# Altium PCB 2-quilter-output.pcbdoc (part 17 of 17)
Units mil, origin at the board's own origin, x right, y up, seen from the top; angles counter-clockwise.
Board outline 2728 x 2217 mil, 8 copper layers (L1_TOP, L2_GND, L3_INNER1, L4_GND, L5_PWR, L6_PWR, L7_GND, L8_BOT), stack 48.64 mil thick; 230 components, 327 nets, 1592 pads, 995 vias.
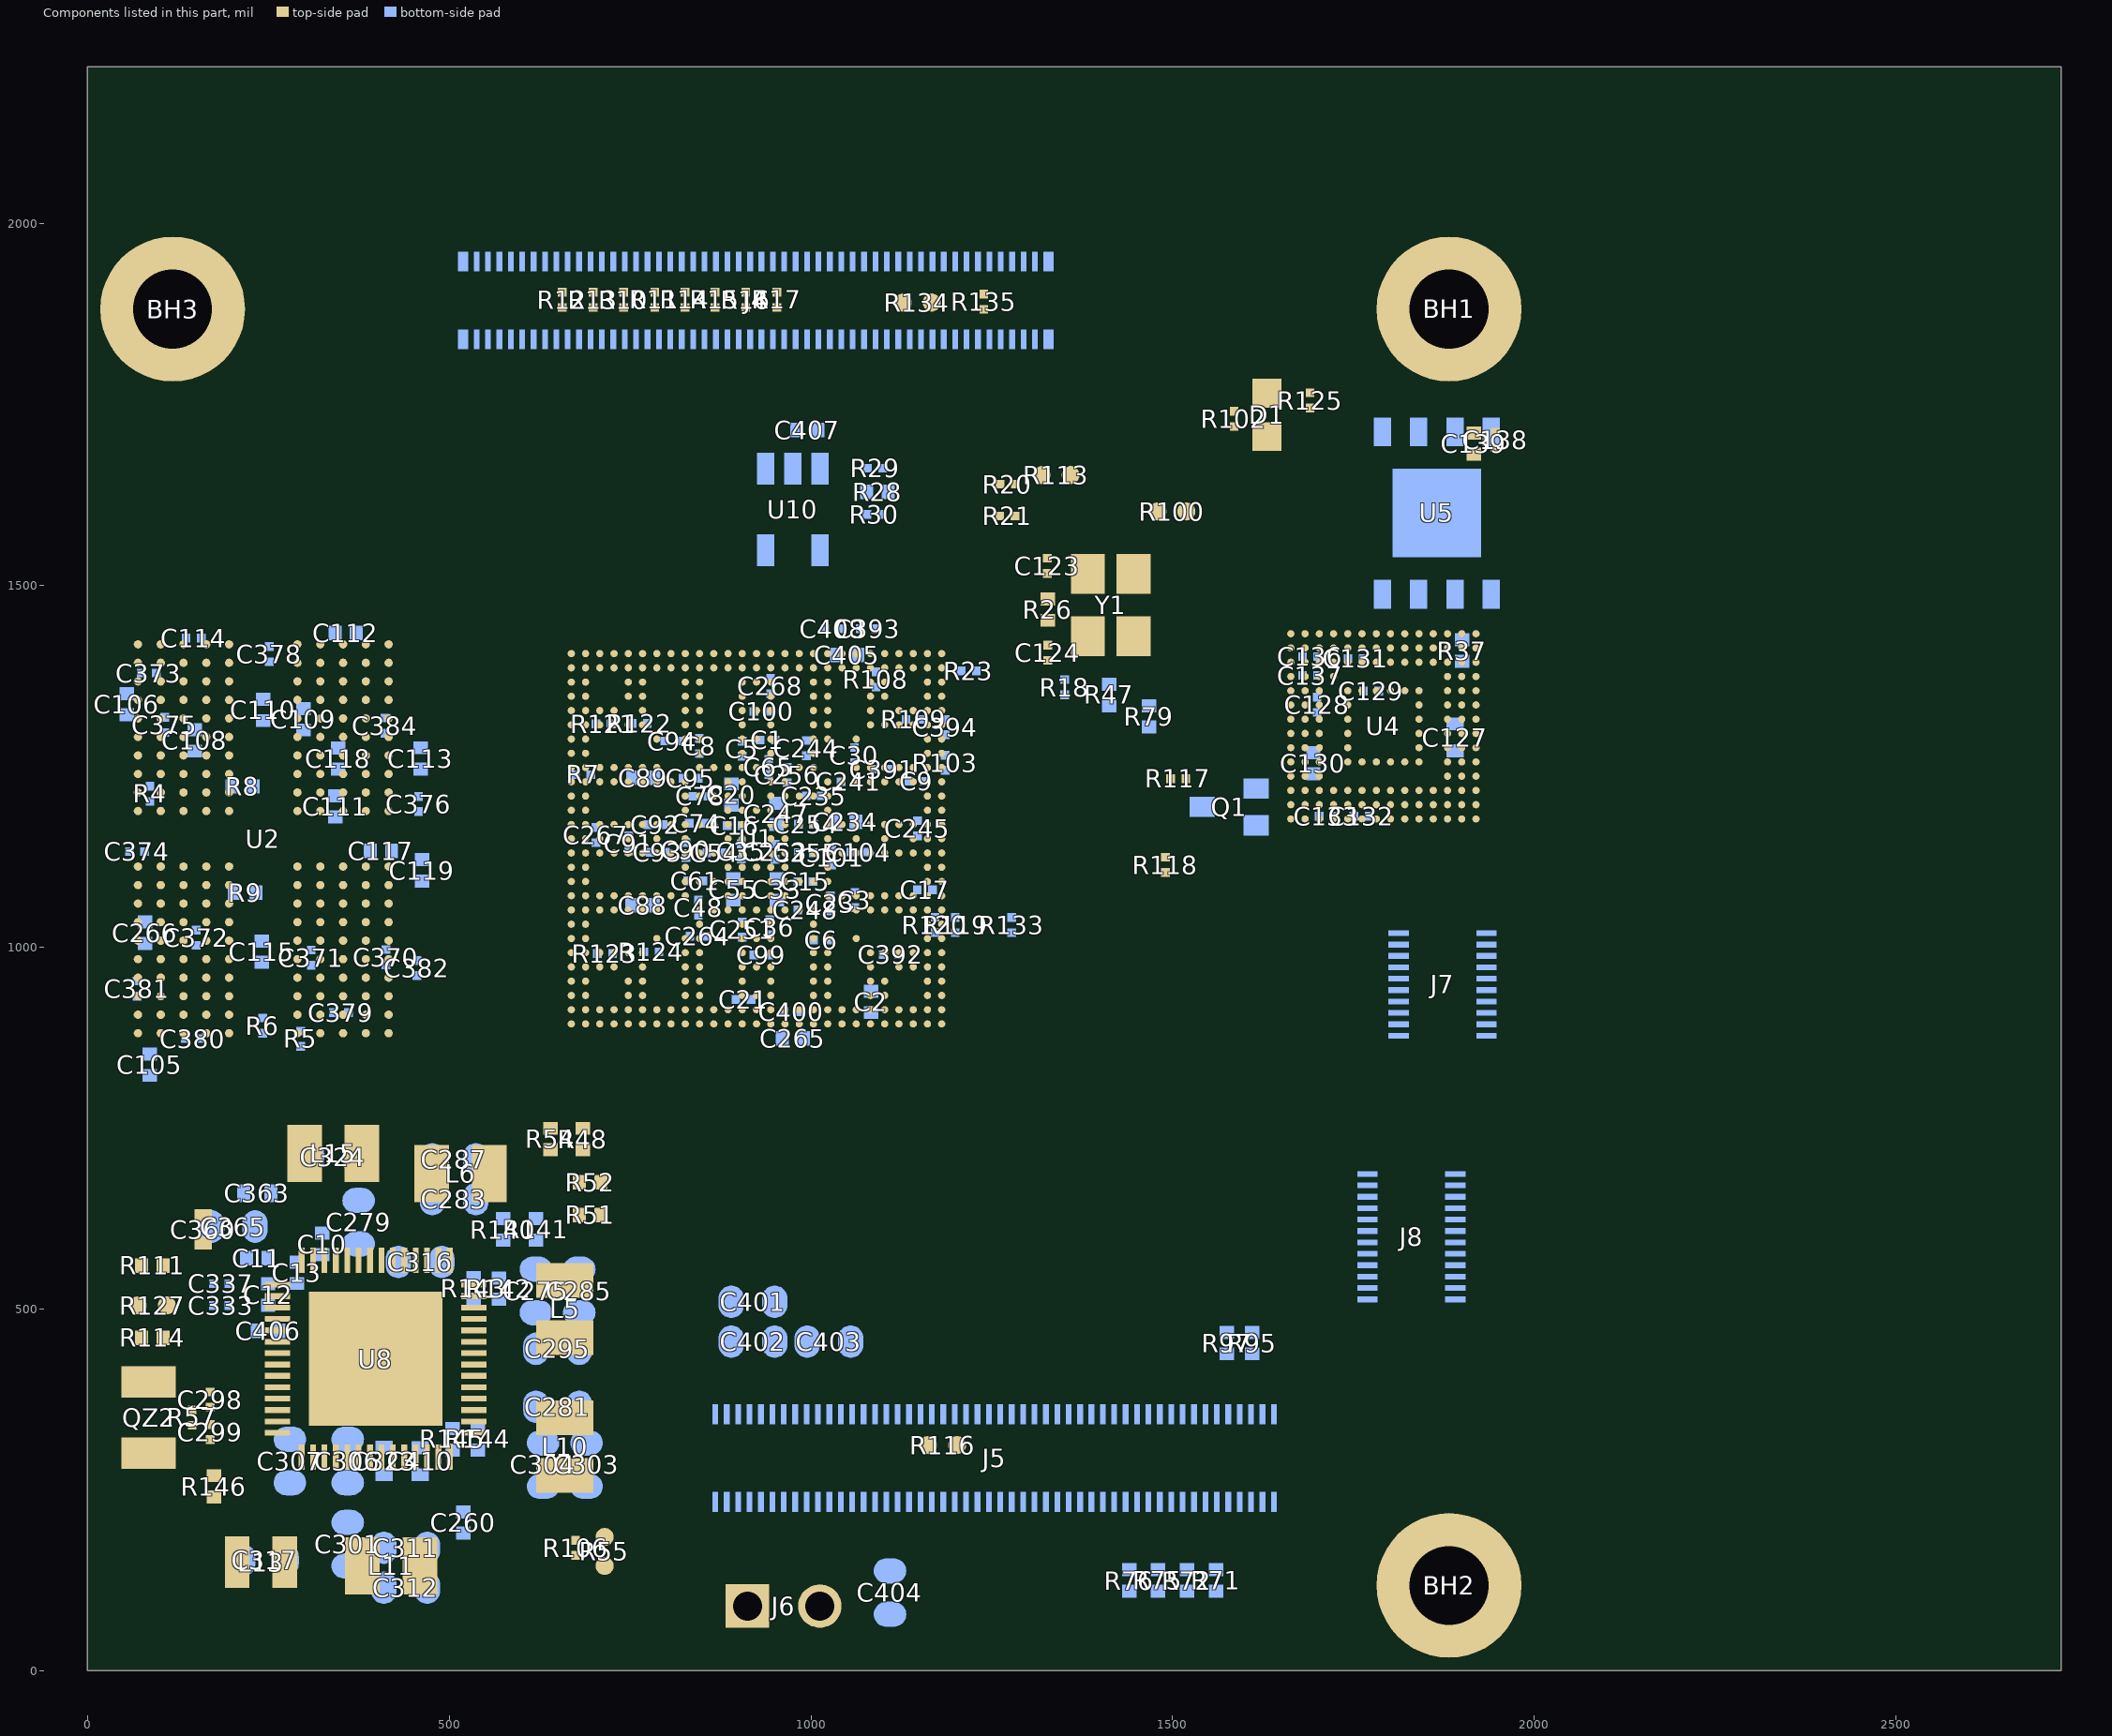
[diagram p23: the components of this part, seen from the top]

## Silkscreen, mask and mechanical layers (free items; w line width, h text height) (continued)
Board Layer Stack Bottom Overlay:
  circle w4: c1088.5,679.88 r5
  circle w4: c1104.83,572.48 r2.6
  circle w4: c1104.83,572.48 r11.73
  lines w4: 1054.36,698.82 1198.7,550.21 ; 1063.16,551.34 1202.03,701.15 ; 1088,1091.87 1040.15,1091.87 ; 1093.23,673.22 1084.36,673.02 1174.9,673.02 ; 1093.23,674.08 1093.23,674.42 1101.03,586.48 ; 1117.56,569.94 1153.03,569.94 1153.03,578.21 1161.5,677.88 ; 1119,1091.87 1263.59,1091.87 1264,1227 1478,1227 1478,1137 1584,1137 1584,1018 1494,1018 1494,902 1417,902 1417,1014 1300,1014 1300,1056 1263,1056 1263,1092 ; 1143.5,563.21 1143.5,566.54 ; 1146.83,676.55 1146.83,686.55 ; 1040.15,1091.87 1017.46,1091.87 1017.46,1078.48 972.44,1078.48 972.44,1050.63 859.7,1050.63 859.7,1078.13 810.55,1078.13 810.55,1249.65 812.93,1249.65 907.8,1249.65 918,1250 918,1309 981,1309 981,1222 981.7,1220.77 1026.4,1220.77 1026.4,1196.37 1014.71,1196.37 1014.71,1145.5 1040.15,1145.5 1040.15,1091.87 ; 1046.83,539.88 1046.83,706.55 1213.5,706.55 1213.5,539.88 1046.83,539.88 ; 1083.49,650.75 1095.16,650.75 1094.36,663.42 1083.49,663.42 1083.49,650.75 ; 1094.7,680.09 cw(c1111.3,660.88) 1112.83,686.22 1094.7,680.08 ; 1111.16,640.68 1134.23,640.68 1134.23,646.88 1111.16,646.88 1111.16,640.68 ; 1113.23,684.28 1113.23,690.68 1136.3,690.68 1136.3,684.28 1113.23,684.28 ; 1136.9,686.55 cw(c1135.71,640.75) 1161.5,678.62 1136.9,686.55
  lines w5: 1457,835 1457,800 1522,800 1522,835 1487,835 ; 1487,835 1487,800 1422,800 1422,835 1487,835
  lines w5.33: 745.82,777.88 cw(c745.82,756.75) 761.82,770.55 ; 754.49,799.22 cw(c754.48,782.55) 759.16,798.55 ccw(c763.97,815.01) 763.16,797.88 ccw(c768.16,904.96) 773.16,797.88 ccw(c769.61,873.35) 789.82,800.56 cw(c797.6,772.48) 815.82,795.21 ; 761.83,770.55 ccw(c777.38,783.95) 766.49,766.55 790.49,758.55 cw(c790.49,741.87) 807.16,742.55 ccw(c810.98,743.99) 813.16,740.54 813.83,741.88 ccw(c803.63,746.98) 813.17,753.22 ccw(c696.75,676.67) 808.49,759.88 ccw(c792.1,747.67) 795.16,767.88 ; 809.17,776.56 ccw(c922.88,920.99) 819.17,769.22 ccw(c823.89,776.15) 822.5,767.88 826.5,767.22 cw(c733.83,798.94) 824.49,761.88 ccw(c833.9,758) 823.82,756.55 ; 815.83,795.21 cw(c809.25,786.99) 819.16,790.55 ccw(c828.22,793.76) 823.83,785.21 827.16,782.55 831.16,779.22 cw(c823.9,770.5) 835.17,771.89 835.16,771.22 834.5,768.55 833.83,764.55 833.16,759.22 833.16,750.55 cw(c817.08,750.55) 828.49,739.22 cw(c826.16,741.66) 823.16,743.21 825.16,747.21 823.83,756.55
  lines w6.66: 709.82,715.88 836.5,797.22 ; 877.16,715.88 711.82,715.88 793.83,881.89 877.83,715.88
  lines w8: 2053,1121 2715,1121 2715,955 2054,955 2054,1121 ; 2015,40 2015,210 2025,210 2670,210 2670,40 2015,40 ; 2053,1130 2053,1295 2720,1295 2720,1130 2053,1130
  text "8MMINILPD4-CPU2" at 2690,1735 h50
  text "QSPI" at 1706,1588 h30
  text "PHY_1V2" at 987,1436 h20
  text "GND" at 615,1265 h30
  text "SCH-47712 REV A" at 2580,1217 h30
  text "700-47712 REV A" at 2580,1034 h30
  text "SMD" at 1477,841 h20
  text "M.2" at 1524,775 h20
  text "GND" at 1058.55,132.19 h30
  text "5V0" at 949.98,131.29 h30
  text "S/N" at 2640,100 h63
Top Solder:
  lines w25: 30,733.03 30,133.03 cw(c30,132.94) 30.09,132.94 30.09,98.36 ccw(c99.45,98.36) 99.45,29 1729,29
  text "i.MX 8M MINI" at 1085.29,68.77 h50
Board Layer Stack Bottom Solder:
  lines w25: 30,733.03 30,133.03 cw(c30,132.94) 30.09,132.94 30.09,98.36 ccw(c99.45,98.36) 99.45,29 1729,29
Dimension:
  region: 0.88,2040.03 2000,2040.03 2730.84,2040.03 2730.84,2240.3 2000,2240.3 0.88,2240.3
  region: -0.48,-240.24 1997.27,-240.24 2730.84,-240.24 2730.84,-39.97 1997.27,-39.97 -0.48,-39.97
  lines w1: -1522.63,-534.96 -656.44,-534.96 6.27,23.26 ; -810,0.12 -4.18,0.12 ; -810,2000.03 51.11,2000.03 ; -710,783.75 -710,0.12 ; -710,1096.25 -710,2000.03 ; -678,877.5 -724.5,877.5 -724.5,1002.5 -678,1002.5 ; -120,877.5 -73.5,877.5 -73.5,1002.5 -120,1002.5 ; 0.07,1992.22 0.07,2545 ; 679.75,2445 0.07,2445 ; 1442,2382.5 1395.5,2382.5 1395.5,2507.5 1442,2507.5 ; 2000,2382.5 2046.5,2382.5 2046.5,2507.5 2000,2507.5 ; 2140.25,2445 2730,2445 ; 2730,2000.03 2730,2545 ; 3610,1610 3050,1610 2686.87,1745 ; 3987.22,493.36 3229.43,494.31 2684.21,494.31 ; -710,0.12 -735,150.12 -685,150.12 -710,0.12 ; -710,2000.03 -685,1850.03 -735,1850.03 -710,2000.03 ; 0.07,2445 150.07,2470 150.07,2420 0.07,2445 ; 6.27,23.26 -92.35,-92.5 -124.56,-54.25 6.27,23.26 ; 2684.21,494.31 2834.21,519.31 2834.21,469.31 2684.21,494.31 ; 2686.87,1745 2836.18,1716.16 2818.76,1669.3 2686.87,1745 ; 2730,2445 2580,2420 2580,2470 2730,2445 ; 0.07,100.03 ccw(c100.07,100.03) 100.07,0.03 1799.96,0.03 cw(c1760.61,-91.89) 1800.03,0 2600,0 2630,0 ccw(c2630,100) 2730,100 2730,1900.03 ccw(c2630,1900.03) 2630,2000.03 2600,2000.03 1900,2000.03 100.07,2000.03 ccw(c100.07,1900.03) 0.07,1900.03 0.07,100.03
  text "2.73" at 773.5,2382.5 h125
  text "69.3" at 1488.5,2382.5 h125
  text "BOARD" at 744.18,2124.35 h50
  text "EDGE" at 1103,2121.86 h50
  text "2.00" at -1346.5,877.5 h125
  text "50.8" at -631.5,877.5 h125
  text "TRACE ON TOP,WIDTH 11 MIL  50OHM (WIFI)" at 2778.59,561.99 h50
  text "EDGE" at 1127.14,-169.03 h50
  text "BOARD" at 746.32,-170.54 h50
  text "PRIMARY DATUM" at -1423.71,-403.76 h50
  text "GRID ORIGIN" at -1423.96,-507.6 h50
Fab Notes:
  drawing of 255 lines, arcs and shapes, not listed
  text "1. THIS DRAWING SPECIFIES THE REQUIREMENTS FOR A" at -10326.01,11281.66 h94
  text "PRINTED WIRING BOARD IN ACCORDANCE" at -6026.01,11281.66 h94
  text "WITH SPECIFICATION IPC-A-600 CLASS 2 (LATEST REVISION)." at -10316.01,11081.66 h94
  text "2. THE PWB MUST BE LEAD FREE ASSEMBLY PROCESS COMPATIBLE AND MUST BE ABLE TO HANDLE" at -10326.01,10681.66 h94
  text "A MINIMUM OF 5 CYCLES AT 260 DEGREES CELSIUS FOR 10 SECONDS." at -10226.01,10481.66 h94
  text "3. BASE MATERIAL - LAMINATE AND PREPREG SHALL MEET IPC-4101B-26, 83 or 98" at -10326.01,10081.66 h94
  text "Tg - MUST BE GREATER THAN OR EQUAL TO 150 DEGREES CELSIUS." at -8481.01,9881.66 h94
  text "Td - MUST BE GREATER THAN OR EQUAL TO 330 DEGREES CELSIUS." at -8481.01,9681.66 h94
  text "4. COPPER FOIL WEIGHT - SEE STACKUP DETAIL 'A'" at -10326.01,9281.66 h94
  text "5. CHARACTERISTIC IMPEDANCE - SEE DETAIL 'B'" at -10326.01,8881.66 h94
  text "8" at 11442.5,8484.67 h94
  text "6. MINIMUM CONDUCTIVE WIDTH/SPACING TO BE .003\"/.003\"" at -10326.01,8481.66 h94
  text "8" at 11444.5,8173.67 h94
  text "7. PLATING FINISH - BOTH SIDES ENIG (ELECTROLESS NICKEL IMMERSION GOLD):" at -10326.01,8081.66 h94
  text ".05080-.232 MICRON (2-8 MICROINCH) OF GOLD OVER" at -8506.01,7881.66 h94
  text "2.540-6.350 MICRON (100-250 MICROINCH) OF NICKEL." at -8761.01,7681.66 h94
  text "8. ALL THROUGH HOLE VIAS MAY BE PLATED SHUT." at -10326.01,7281.66 h94
  text "9. SOLDERMASK - BLACK COLOR (TAIYO OR EQUIVALENT), BOTH SIDES." at -10326.01,6881.66 h94
  text "MODIFICATION OF SOLDERMASK IS NOT ALLOWED WITHOUT WRITTEN PERMISSION FROM FREESCALE." at -10321.01,6681.66 h94
  text "10. SILKSCREEN - WHITE EPOXY INK, BOTH SIDES.  NO SILK ON PADS." at -10326.01,6281.66 h94
  text "11. ELECTRICAL TEST - 100% IPCD356.PCB FABRICATOR TO PERFORM A NET COMPARE AGAINST THE IPCD356 NETLIST PROVIDED BY NXP." at -10326.01,5881.66 h94
  text "12. PRINTED WIRING BOARD IS TO BE INDIVIDUALLY BAGGED." at -10326.01,5481.66 h94
  text "13. DRC'S MUST BE RUN ON THE GERBER BEFORE BUILDING BOARDS," at -10326.01,5081.66 h94
  text "UNLESS PRIOR APPROVAL IS GIVEN IN WRITING BY FREESCALE." at -10326.01,4881.66 h94
  text "14. TEARDROPS MAYBE ADDED AT THE FAB HOUSE TO ALL SIGNAL LAYERS." at -10326.01,4481.66 h94
  text "15. 2 SOLDER SAMPLES TO BE PROVIDED." at -10326.01,4081.66 h94
  text "16. BASIC GRID INCREMENT AT 1:1 IS .0001." at -10327.01,3680.66 h94
  text "17. SUPPLIER MARKINGS - ON SOLDER SIDE ONLY, WHERE SHOWN." at -10327.01,3280.66 h94
  text "- MUST BE UL RECOGNIZED AND MUST HAVE AN ID THAT CONFORMS TO UL94V-0" at -8306.01,3081.66 h94
  text "18. THE PWB WILL BE MARKED AS LEAD FREE BY USE OF AN INK STAMP Pb" at -10326.01,2681.66 h94
  text "THE TOTAL THICKNESS:" at 11460.81,2582.03 h225
  text "1.2MM +/- 10%" at 16225.3,2557.38 h225
  text "19. THE PWB WILL BE MARKED AS LEAD FREE PROCESS COMPATIBLE BY USE OF AN INK STAMP 260 C" at -10326.01,2281.66 h94
  text "DIELECTRIC" at 16819.28,1902.59 h75
  text "20. ALL PLATED AND NON-PLATED THROUGH HOLES ARE TO BE DRILLED AT PRIMARY DRILL STEP." at -9629.41,1881.66 h94
  text "LAYERS STACKUP" at 11302.28,1826.37 h94
  text "LAYER" at 13243.4,1826.37 h94
  text "MATERIAL" at 13895.57,1826.37 h94
  text "THICKNESS" at 14677.27,1826.37 h94
  text "LAYER TYPE" at 15602.35,1826.37 h94
  text "LOSS TANGENT" at 18019.28,1802.59 h75
  text "17" at 3208.5,1705.66 h94
  text "CONSTANT" at 16819.28,1702.59 h75
  text "ALL HOLE LOCATION TOLERANCES ARE TO BE +/-.002 IN REFERENCE TO THE PRIMARY DATUM." at -9286.61,1681.66 h94
  text "COPPER" at 14015.2,1353.93 h94
  text "ROUTING" at 15707.35,1353.93 h94
  text "1 OZ" at 14795.11,1349.98 h94
  text "TOP" at 11680.01,1314.56 h94
  text "TOP" at 13254.81,1314.56 h94
  text "21. FINISHED PCB MUST BE PANELIZED FOR ASSEMBLY ACCORDING TO CONTRACT MANUFACTURERS REQUIREMENTS." at -10326.01,1281.66 h94
  text "THE ADDITION OF RAILS AND .125' NON-PLATED TOOLING HOLES ARE AT THE DISCRETION OF" at -9956.01,1081.66 h94
  text "TU768" at 14120.2,1038.97 h94
  text "2.77MIL" at 14795.11,1033.11 h94
  text "3.9" at 16818.98,1022.11 h94
  text "0.02" at 18204.89,1022.11 h94
  text "PREPREG" at 13064,1010 h94
  text "PREPREG" at 11499.71,999.6 h94
  text "CONTRACT MANUFACTURER.PANELIZATION MUST BE APPROVED BY CONTRACT MANUFACTURER." at -9956.01,881.66 h94
  text "COPPER" at 14015.2,726.37 h94
  text "PLANE" at 15777.35,724.01 h94
  text "1 OZ" at 14795.11,707.01 h94
  text "L2 INNER" at 13018,695.04 h94
  text "L2 INNER" at 11454.63,684.64 h94
  text "TU768" at 14120.2,411.41 h94
  text "CORE" at 11670.96,408.22 h94
  text "3.94MIL" at 14795.11,394.11 h94
  text "CORE" at 13221.85,391.72 h94
  text "4.25" at 16818.98,383.11 h94
  text "0.02" at 18204.89,383.11 h94
  text "1 OZ" at 14795.11,102.01 h94
  text "COPPER" at 14015.2,96.45 h94
  text "ROUTING" at 15733.03,80.36 h94
  text "L3 INNER" at 13018,65.11 h94
  text "L3 INNER" at 11454.63,54.72 h94
  text "TU768" at 14120.2,-218.51 h94
  text "5.04MIL" at 14795.11,-240.29 h94
  text "PREPREG" at 13064,-249.85 h94
  text "3.9" at 16818.98,-251.29 h94
  text "0.02" at 18204.89,-251.29 h94
  text "PREPREG" at 11499.71,-260.24 h94
  text "16" at -1239,-268 h94
  text "PLANE" at 15782.03,-532.34 h94
  text "COPPER" at 14015.2,-533.47 h94
  text "1 OZ" at 14795.11,-541.99 h94
  text "L4 INNER" at 13018,-564.81 h94
  text "L4 INNER" at 11454.63,-575.2 h94
  text "THIS BOARD WAS DESIGNED FOR MAXIMUM FLEXIBILITY IN SOFTWARE DEVELOPMENT AND DEMONSTRATES" at -10594.28,-691.69 h94
  text "CORE" at 11500.47,-851.2 h94
  text "CORE" at 13243.85,-851.2 h94
  text "TU768" at 14120.2,-855.64 h94
  text "12MIL" at 14795.11,-872.19 h94
  text "4.25" at 16818.98,-883.19 h94
  text "0.02" at 18204.89,-883.19 h94
  text "MULTIPLE FUNCTIONS POSSIBLE WITH I.MX PROCESSORS. ALTHOUGH BEST DESIGN PRACTICES HAVE" at -10555.79,-922.68 h94
  text "PLANE" at 15777.35,-1164.63 h94
  text "1 OZ" at 14795.11,-1167.99 h94
  text "COPPER" at 14015.2,-1183.35 h94
  text "L5 INNER" at 13018,-1194.73 h94
  text "L5 INNER" at 11454.63,-1205.13 h94
  text "BEEN APPLIED,SOME AREAS MAY NOT BE SUITABLE FOR A MASS-PRODUCTION DESIGN" at -10555.79,-1214.16 h94
  text "TU768" at 14120.2,-1473.63 h94
  text "5.54MIL" at 14795.11,-1476.29 h94
  text "3.9" at 16818.98,-1487.29 h94
  text "0.02" at 18204.89,-1487.29 h94
  text "PREPREG" at 13064,-1509.69 h94
  text "PREPREG" at 11499.71,-1520.09 h94
  text "1 OZ" at 14795.11,-1758.99 h94
  text "PRELIMINARY -SUBJECT TO CHANGE" at -10591.29,-1797.43 h94
  text "COPPER" at 14015.2,-1810.75 h94
  text "ROUTING" at 15707.35,-1810.75 h94
  text "L6 INNER" at 13018,-1824.65 h94
  text "L6 INNER" at 11454.63,-1835.05 h94
  text "NXP CONFIDENTIAL AND PROPRIETARY" at -10591.29,-2031.43 h94
  text "CORE" at 11648.96,-2116.11 h94
  text "TU768" at 14120.2,-2119.74 h94
  text "3.94MIL" at 14795.11,-2119.89 h94
  text "CORE" at 13265.85,-2127.11 h94
  text "4.25" at 16818.98,-2130.89 h94
  text "0.02" at 18204.89,-2130.89 h94
  text "COPPER" at 14015.2,-2419.33 h94
  text "PLANE" at 15777.35,-2428.74 h94
  text "1 OZ" at 14795.11,-2447.99 h94
  text "L7 INNER" at 13018,-2454.57 h94
  text "L7 INNER" at 11454.63,-2464.97 h94
  text "DETAIL B" at 3330.94,-2595.79 h125
  text "2.77MIL" at 14795.11,-2735.59 h94
  text "3.9" at 16818.98,-2746.59 h94
  text "0.02" at 18204.89,-2746.59 h94
  text "TU768" at 14120.2,-2756.45 h94
  text "PREPREG" at 13064,-2769.53 h94
  text "PREPREG" at 11499.71,-2779.93 h94
  text "IMPEDANCE REQUIREMENTS" at 2646.94,-2807.79 h125
  text "IMPEDANCE TOLERANCE IS 10%" at 2446.94,-3007.79 h125
  text "1 OZ" at 14795.11,-3045.99 h94
  text "COPPER" at 14015.2,-3046.63 h94
  text "ROUTING" at 15707.35,-3084.16 h94
  text "L8 BOTTOM" at 11345.13,-3105.91 h94
  text "L8 BOTTOM" at 12998.67,-3105.91 h94
  text "Single Ended" at -525.06,-3303.79 h94
  text "Differential" at 4020.94,-3311.79 h94
  text "DETAIL A" at 14780,-3500 h125
  text "Impedance" at 2589.94,-3504.79 h63
  text "Impedance" at 5089.94,-3504.79 h63
  text "Impedance" at 7789.94,-3504.79 h63
  text "Impedance" at 159.94,-3509.79 h63
  text "Layers" at -1479.06,-3511.79 h94
  text "Trace Spacing" at 1670.94,-3511.79 h63
  text "Trace Spacing" at 4170.94,-3511.79 h63
  text "Trace Spacing" at 6870.94,-3511.79 h63
  text "Trace Width" at -675.06,-3519.79 h63
  text "Trace Width" at 884.94,-3519.79 h63
  text "Trace Width" at 3384.94,-3519.79 h63
  text "Trace Width" at 6084.94,-3519.79 h63
  text "(Mils)" at -629.06,-3611.79 h80
  text "(Ohms)" at 170.94,-3611.79 h63
  text "(Mils)" at 920.94,-3611.79 h63
  text "\"Airgap\"" at 1670.94,-3611.79 h63
  text "(Ohms)" at 2620.94,-3611.79 h63
  text "(Mils)" at 3420.94,-3611.79 h63
  text "\"Airgap\"" at 4170.94,-3611.79 h63
  text "(Ohms)" at 5120.94,-3611.79 h63
  text "(Mils)" at 6120.94,-3611.79 h63
  text "\"Airgap\"" at 6870.94,-3611.79 h63
  text "(Ohms)" at 7820.94,-3611.79 h63
  text "(Mils)" at 1858.94,-3726.79 h63
  text "(Mils)" at 4358.94,-3726.79 h63
  text "(Mils)" at 7058.94,-3726.79 h63
  text "3.6" at 3750.9,-3899.27 h80
  text "L1_TOP" at -1394.61,-3900.36 h80
  text "90" at 5280.92,-3907.17 h80
  text "4.2" at 1145.73,-3909.98 h80
  text "3" at 6364.72,-3910.47 h80
  text "4.1" at -469.57,-3911.67 h80
  text "4.8" at 2018.36,-3913.88 h80
  text "4.9" at 4450.9,-3914.27 h80
  text "85" at 2836.2,-3914.59 h80
  text "50" at 489.66,-3919.26 h80
  text "6" at 7158.21,-3936.47 h80
  text "100" at 7958.63,-3936.79 h80
  text "11" at -432,-4097.67 h80
  text "50" at 484.66,-4117.26 h80
  text "3.2" at -426.86,-4480.19 h80
  text "L3_IN1" at -1431.53,-4491.86 h80
  text "50" at 473.14,-4495.19 h80
  text "50" at 473.66,-5105.82 h80
  text "6" at 7045.46,-5108.1 h80
  text "4.1" at -459.66,-5113.04 h80
  text "3.6" at 3633.5,-5113.19 h80
  text "3" at 6251.97,-5115.09 h80
  text "L8_BOTTOM" at -1529.25,-5117.52 h80
  text "90" at 5170.93,-5121.1 h80
  text "85" at 2655.06,-5126.24 h80
  text "4.2" at 1056.04,-5128.23 h80
  text "4.9" at 4333.5,-5128.19 h80
  text "4.8" at 1911.49,-5129.17 h80
  text "100" at 7848.64,-5128.72 h80
Sheet:
  drawing of 2535 lines, arcs and shapes, not listed
  text "F.L." at 21016.65,12572.59 h100
  text "A" at 15181.65,12567.59 h125
  text "A" at 15181.65,12567.59 h125
  text "09-03-20" at 19736.65,12567.59 h100
  text "170-47712" at 14341.65,-4992.41 h175
  text "THIS DOCUMENT CONTAINS INFORMATION" at 13896.65,-5197.41 h63
  text "___ COMPANY PUBLIC" at 11051.65,-5232.41 h63
  text "NXP SEMICONDUCTORS" at 17083.65,-5277.41 h225
  text "PROPRIETARY TO NXP AND SHALL NOT" at 13896.65,-5322.41 h63
  text "BE USED FOR ENGINEERING DESIGN" at 13896.65,-5447.41 h63
  text "___ COMPANY INTERNAL" at 11051.65,-5532.41 h63
  text "X" at 11091.65,-5532.41 h100
  text "PROCUREMENT OR MANUFACTURE IN WHOLE" at 13896.65,-5572.41 h63
  text "OR IN PART WITHOUT THE CONSENT OF" at 13896.65,-5697.41 h63
  text "NXP." at 13896.65,-5822.41 h63
  text "___ COMPANY CONFIDENTIAL" at 11051.65,-5832.41 h63
  text "6501 WILLIAM CANNON DRIVE WEST  AUSTIN, TEXAS 78735 USA" at 16486.65,-5877.41 h94
  text "ALL PARTS, MATERIALS AND FINISHED" at 8623.65,-6149.41 h63
  text "ASSEMBLY SHALL MEET THE RoHS" at 8623.65,-6233.41 h63
  text "PRINTED WIRING BOARD" at 17416.65,-6287.41 h175
  text "COMMISSION DELEGATED DIRECTIVE (EU)" at 8623.65,-6317.41 h63
  text "2015/863 OF 31 MARCH  2015 AMENDING" at 8623.65,-6401.41 h63
  text "STACY CUI" at 13900.65,-6465.41 h100
  text "09-03-20" at 15546.65,-6465.41 h100
  text "ANNEX II TO DIRECTIVE 2011/65/EU. A" at 8623.65,-6485.41 h63
  text "CERTIFICATE OF COMPLIANCE IS" at 8623.65,-6569.41 h63
  text "8MMINILPD4-CPU2" at 17979.65,-6626.41 h175
  text "REQUIRED UPON REQUEST." at 8623.65,-6653.41 h63
  text "LEO PAN" at 13900.65,-6885.41 h100
  text "09-03-20" at 15541.65,-6885.41 h100
  text "ALL PARTS, MATERIALS AND FINISHED" at 8599.65,-7108.41 h63
  text "ASSEMBLY SHALL NOT CONTAIN ANY OF" at 8599.65,-7192.41 h63
  text "LAY-47712" at 16868.65,-7196.41 h125
  text "FAB-47712" at 18837.65,-7221.41 h175
  text "A" at 21319.5,-7269.44 h175
  text "THE SUBSTANCES OF VERY HIGH CONCERN" at 8599.65,-7276.41 h63
  text "FRANK LIU" at 13900.65,-7280.41 h100
  text "09-03-20" at 15536.65,-7280.41 h100
  text "(SVHC) ABOVE THE THRESHOLD VALUE PER" at 8599.65,-7360.41 h63
  text "THE CURRENT ECHA LIST OF SVHC'S AND" at 8599.65,-7444.41 h63
  text "WITH ANNEX XIV AND ANNEX XVII OF REACH" at 8599.65,-7523.41 h63
  text "DIRECTIVE 76/769/EEC. A CERTIFICATE OF" at 8599.65,-7607.41 h63
  text "COMPLIANCE IS REQUIRED UPON REQUEST." at 8599.65,-7691.41 h63
  text "1" at 21151.5,-7702.5 h125
  text "NONE" at 16863.5,-7709.5 h125
  text "1" at 20430.5,-7709.5 h125
Drill Drawing:
  circle w1: c12150.74,7937.14 r60
  circle w1: c12150.74,8437.14 r60
  lines w1: 11701.24,7312.14 18676.24,7312.14 ; 11701.24,7562.14 18676.24,7562.14 ; 11701.24,7812.14 18676.24,7812.14 ; 11701.24,8062.14 18676.24,8062.14 ; 11701.24,8312.14 18676.24,8312.14 ; 11701.24,8562.14 18676.24,8562.14 ; 11701.24,8812.14 18676.24,8812.14 ; 11701.24,9062.14 18676.24,9062.14 ; 12090.74,8187.14 12210.74,8187.14 ; 12150.74,8127.14 12150.74,8247.14 ; 12600.24,7062.14 12600.24,8812.14 ; 14615.24,7062.14 14615.24,8812.14 ; 16630.24,7062.14 16630.24,8812.14 ; 17901.24,7062.14 17901.24,8812.14 ; 11701.24,7062.14 18676.24,7062.14 18676.24,9312.14 11701.24,9312.14 11701.24,7062.14 ; 12060.74,7672.14 ccw(c12150.74,7672.14) 12240.74,7672.14 12240.74,7702.14 ccw(c12150.74,7702.14) 12060.74,7702.14 12060.74,7672.14 ; 12090.74,7127.14 12090.74,7247.14 12210.74,7247.14 12210.74,7127.14 12090.74,7127.14 ; 12090.74,7377.14 12090.74,7497.14 12210.74,7497.14 12210.74,7377.14 12090.74,7377.14
  text "DRILL CHART: TOP to BOTTOM" at 13888.74,9124.64 h125
  text "ALL UNITS ARE IN MILS" at 14138.74,8874.64 h125
  text "FIGURE" at 11850.74,8624.64 h125
  text "FINISHED_SIZE" at 12957.74,8624.64 h125
  text "TOLERANCE_DRILL" at 14872.74,8624.64 h125
  text "PLATED" at 16965.74,8624.64 h125
  text "QTY" at 18138.74,8624.64 h125
  text "8.0" at 13457.74,8374.64 h125
  text "+0.0/-8.0" at 15172.74,8374.64 h125
  text "PLATED" at 16965.74,8374.64 h125
  text "1125" at 18088.74,8374.64 h125
  text "8.0" at 13457.74,8124.64 h125
  text "+0.0/-8.0" at 15172.74,8124.64 h125
  text "PLATED" at 16965.74,8124.64 h125
  text "189" at 18138.74,8124.64 h125
  text "40.0" at 13407.74,7874.64 h125
  text "+3.0/-3.0" at 15172.74,7874.64 h125
  text "PLATED" at 16965.74,7874.64 h125
  text "2" at 18238.74,7874.64 h125
  text "109.0" at 13357.74,7624.64 h125
  text "+3.0/-3.0" at 15172.74,7624.64 h125
  text "PLATED" at 16965.74,7624.64 h125
  text "3" at 18238.74,7624.64 h125
  text "35.0" at 13407.74,7374.64 h125
  text "+1.0/-1.0" at 15172.74,7374.64 h125
  text "NON-PLATED" at 16765.74,7374.64 h125
  text "2" at 18238.74,7374.64 h125
  text "64.0" at 13407.74,7124.64 h125
  text "+2.0/-2.0" at 15172.74,7124.64 h125
  text "NON-PLATED" at 16765.74,7124.64 h125
  text "4" at 18238.74,7124.64 h125
Top Designator:
  lines w1: -25,0 25,0 ; 0,-25 0,25

## Text inside footprints (layer, text, board x,y; h text height)
BH1: Bottom Designator "1" at 1878.85,1881.82 h10; Top Pin Number "1" at 1879.47,1871.82 h20
BH2: Bottom Designator "1" at 1878.85,118.04 h10; Top Pin Number "1" at 1879.47,108.04 h20
BH3: Bottom Designator "1" at 115.07,1881.82 h10; Top Pin Number "1" at 115.69,1871.82 h20
C20: Bottom Pin Number "2" at 890.07,1206.26 h25 r270; Bottom Pin Number "1" at 890.07,1235.78 h25 r270
C33: Bottom Pin Number "2" at 953.1,1084.7 h25 r90; Bottom Pin Number "1" at 953.1,1055.18 h25 r90
C55: Bottom Pin Number "2" at 892.54,1084.69 h25 r90; Bottom Pin Number "1" at 892.54,1055.17 h25 r90
C88: Bottom Pin Number "2" at 762.82,1058.1 h25 r180; Bottom Pin Number "1" at 792.34,1058.1 h25 r180
C89: Bottom Pin Number "2" at 763.49,1234 h25 r180; Bottom Pin Number "1" at 793.01,1234 h25 r180
C105: Bottom Pin Number "2" at 86.19,842.36 h25 r90; Bottom Pin Number "1" at 86.19,812.84 h25 r90
C106: Bottom Pin Number "2" at 54.89,1340.66 h25 r90; Bottom Pin Number "1" at 54.89,1311.14 h25 r90
C108: Bottom Pin Number "2" at 148.58,1290.59 h25 r90; Bottom Pin Number "1" at 148.58,1261.07 h25 r90
C109: Bottom Pin Number "2" at 298.93,1319.75 h25 r90; Bottom Pin Number "1" at 298.93,1290.23 h25 r90
C110: Bottom Pin Number "2" at 242.89,1323.14 h25 r270; Bottom Pin Number "1" at 242.89,1352.66 h25 r270
C111: Bottom Pin Number "2" at 343,1199.41 h25 r90; Bottom Pin Number "1" at 343,1169.89 h25 r90
C112: Bottom Pin Number "2" at 361.99,1434.05 h25; Bottom Pin Number "1" at 332.47,1434.05 h25
C113: Bottom Pin Number "2" at 460.89,1265.66 h25 r90; Bottom Pin Number "1" at 460.89,1236.14 h25 r90
C115: Bottom Pin Number "2" at 241.39,989.14 h25 r270; Bottom Pin Number "1" at 241.39,1018.66 h25 r270
C117: Bottom Pin Number "2" at 410.65,1132.9 h25; Bottom Pin Number "1" at 381.13,1132.9 h25
C118: Bottom Pin Number "2" at 346.54,1255.92 h25 r270; Bottom Pin Number "1" at 346.54,1285.44 h25 r270
C119: Bottom Pin Number "2" at 462.5,1101.45 h25 r270; Bottom Pin Number "1" at 462.5,1130.97 h25 r270
C130: Bottom Pin Number "2" at 1694.3,1258.95 h25 r90; Bottom Pin Number "1" at 1694.3,1229.43 h25 r90
C139: Bottom Designator "1" at 1916,1720.76 h25 r90; Bottom Designator "2" at 1916,1691.24 h25 r90
C234: Bottom Pin Number "2" at 1042.67,1173.08 h25 r180; Bottom Pin Number "1" at 1072.19,1173.08 h25 r180
C247: Bottom Pin Number "2" at 952.67,1189.1 h25 r90; Bottom Pin Number "1" at 952.67,1159.58 h25 r90
C260: Bottom Pin Number "2" at 520,209.76 h25 r90; Bottom Pin Number "1" at 520,180.24 h25 r90
C265: Bottom Pin Number "2" at 979.99,873.86 h25; Bottom Pin Number "1" at 950.47,873.86 h25
C266: Bottom Pin Number "2" at 80,1024.76 h25 r90; Bottom Pin Number "1" at 80,995.24 h25 r90
C275: Top Pin Number "2" at 625,494 h10 r90; Top Pin Number "1" at 625,554 h10 r90
C279: Top Pin Number "1" at 380,649 h10 r90; Top Pin Number "2" at 380,589 h10 r90
C281: Top Pin Number "1" at 679,360 h10; Top Pin Number "2" at 619,360 h10
C283: Top Pin Number "1" at 536,647 h10; Top Pin Number "2" at 476,647 h10
C285: Top Pin Number "1" at 685,554 h10 r90; Top Pin Number "2" at 685,494 h10 r90
C287: Top Pin Number "1" at 536,702 h10; Top Pin Number "2" at 476,702 h10
C295: Top Pin Number "1" at 679,440 h10; Top Pin Number "2" at 619,440 h10
C301: Top Pin Number "1" at 355,146 h10 r270; Top Pin Number "2" at 355,206 h10 r270
C303: Top Pin Number "1" at 685,256 h10 r270; Top Pin Number "2" at 685,316 h10 r270
C304: Top Pin Number "1" at 625,256 h10 r270; Top Pin Number "2" at 625,316 h10 r270
C306: Top Pin Number "1" at 365,319 h10 r90; Top Pin Number "2" at 365,259 h10 r90
C307: Top Pin Number "1" at 285,319 h10 r90; Top Pin Number "2" at 285,259 h10 r90
C311: Top Pin Number "1" at 469,165 h10; Top Pin Number "2" at 409,165 h10
C312: Top Pin Number "1" at 469,110 h10; Top Pin Number "2" at 409,110 h10
C316: Top Pin Number "1" at 489,560 h10; Top Pin Number "2" at 429,560 h10
C317: Top Pin Number "1" at 216,158 h10 r180; Top Pin Number "2" at 276,158 h10 r180
C324: Top Pin Number "1" at 311,715 h10 r180; Top Pin Number "2" at 371,715 h10 r180
C365: Top Pin Number "1" at 231,609 h10; Top Pin Number "2" at 171,609 h10
C401: Top Pin Number "2" at 889,505 h10; Top Pin Number "1" at 949,505 h10
C402: Top Pin Number "2" at 889,450 h10; Top Pin Number "1" at 949,450 h10
C403: Top Pin Number "2" at 994,450 h10; Top Pin Number "1" at 1054,450 h10
C404: Top Pin Number "2" at 1114.35,77.17 h10 r90; Top Pin Number "1" at 1114.35,137.17 h10 r90
COPYRIGHT_SMALL: Top Overlay "2020 NXP B.V." at 1010.92,401.2 h35; Top Value "copyright_small" at 1050.92,465.2 h31
D1: Top Overlay "C" at 1591.96,1681.87 h15 r180; Top Overlay "A" at 1597.45,1801.86 h15 r180
J4: Board Layer Stack Bottom Overlay "1" at 543.89,1813.9 h15 r90; Board Layer Stack Bottom Overlay "2" at 543.89,1988.9 h15 r90; Board Layer Stack Bottom Overlay "99" at 1323.21,1807.3 h15 r90; Board Layer Stack Bottom Overlay "100" at 1318.89,2008.9 h15 r90
J5: Board Layer Stack Bottom Overlay "2" at 847.23,208.9 h20 r180; Board Layer Stack Bottom Overlay "100" at 1644.42,208.06 h20 r180; Board Layer Stack Bottom Overlay "99" at 1648.8,393.9 h20 r180; Board Layer Stack Bottom Overlay "1" at 851.51,393.9 h20 r180; Bottom Assembly "1" at 851.51,393.9 h20 r180; Bottom Assembly "2" at 847.23,208.9 h20 r180; Bottom Assembly "100" at 1644.59,208.19 h20 r180; Bottom Assembly "99" at 1648.8,393.9 h20 r180; Bottom Pin Number "85" at 1537.48,354.53 h10; Bottom Pin Number "74" at 1442.99,233.27 h10; Bottom Pin Number "88" at 1553.23,233.27 h10; Bottom Pin Number "93" at 1600.47,354.53 h10; Bottom Pin Number "100" at 1651.72,233.27 h10; Bottom Pin Number "33" at 1128.03,354.53 h10; Bottom Pin Number "31" at 1112.28,354.53 h10; Bottom Pin Number "29" at 1096.54,354.53 h10; Bottom Pin Number "27" at 1080.79,354.53 h10; Bottom Pin Number "25" at 1065.04,354.53 h10; Bottom Pin Number "23" at 1049.29,354.53 h10; Bottom Pin Number "21" at 1033.54,354.53 h10; Bottom Pin Number "35" at 1143.78,354.53 h10; Bottom Pin Number "65" at 1380,354.53 h10; Bottom Pin Number "69" at 1411.5,354.53 h10; Bottom Pin Number "73" at 1442.99,354.53 h10; Bottom Pin Number "71" at 1427.24,354.53 h10; Bottom Pin Number "70" at 1411.5,233.27 h10; Bottom Pin Number "77" at 1474.49,354.53 h10; Bottom Pin Number "45" at 1222.52,354.53 h10; Bottom Pin Number "34" at 1128.03,233.27 h10; Bottom Pin Number "32" at 1112.28,233.27 h10; Bottom Pin Number "30" at 1096.54,233.27 h10; Bottom Pin Number "28" at 1080.79,233.27 h10; Bottom Pin Number "26" at 1065.04,233.27 h10; Bottom Pin Number "24" at 1049.29,233.27 h10; Bottom Pin Number "22" at 1033.54,233.27 h10; Bottom Pin Number "36" at 1143.78,233.27 h10; Bottom Pin Number "39" at 1175.28,354.53 h10; Bottom Pin Number "7" at 919.31,354.53 h10; Bottom Pin Number "5" at 903.56,354.53 h10; Bottom Pin Number "3" at 887.81,354.53 h10; Bottom Pin Number "1" at 872.06,354.53 h10; Bottom Pin Number "2" at 872.06,233.27 h10; Bottom Pin Number "4" at 887.81,233.27 h10; Bottom Pin Number "6" at 903.56,233.27 h10; Bottom Pin Number "8" at 919.31,233.27 h10; Bottom Pin Number "98" at 1631.97,233.27 h10; Bottom Pin Number "97" at 1631.97,354.53 h10; Bottom Pin Number "37" at 1159.53,354.53 h10; Bottom Pin Number "12" at 954.8,233.27 h10; Bottom Pin Number "10" at 939.06,233.27 h10; Bottom Pin Number "20" at 1017.8,233.27 h10; Bottom Pin Number "18" at 1002.05,233.27 h10; Bottom Pin Number "16" at 986.3,233.27 h10; Bottom Pin Number "14" at 970.55,233.27 h10; Bottom Pin Number "48" at 1238.27,233.27 h10; Bottom Pin Number "47" at 1238.27,354.53 h10; Bottom Pin Number "72" at 1427.24,233.27 h10; Bottom Pin Number "60" at 1332.76,233.27 h10; Bottom Pin Number "75" at 1458.74,354.53 h10; Bottom Pin Number "61" at 1348.5,354.53 h10; Bottom Pin Number "96" at 1616.22,233.27 h10; Bottom Pin Number "84" at 1521.73,233.27 h10; Bottom Pin Number "89" at 1568.98,354.53 h10; Bottom Pin Number "13" at 970.55,354.53 h10; Bottom Pin Number "15" at 986.3,354.53 h10; Bottom Pin Number "17" at 1002.05,354.53 h10; Bottom Pin Number "19" at 1017.8,354.53 h10; Bottom Pin Number "9" at 935.06,354.53 h10; Bottom Pin Number "11" at 954.8,354.53 h10; Bottom Pin Number "42" at 1191.02,233.27 h10; Bottom Pin Number "55" at 1301.26,354.53 h10; Bottom Pin Number "79" at 1490.24,354.53 h10; Bottom Pin Number "63" at 1364.25,354.53 h10; Bottom Pin Number "40" at 1175.28,233.27 h10; Bottom Pin Number "53" at 1285.51,354.53 h10; Bottom Pin Number "51" at 1269.76,354.53 h10; Bottom Pin Number "66" at 1380,233.27 h10; Bottom Pin Number "46" at 1222.52,233.27 h10; Bottom Pin Number "59" at 1332.76,354.53 h10; Bottom Pin Number "38" at 1159.53,233.27 h10; Bottom Pin Number "57" at 1317.01,354.53 h10; Bottom Pin Number "44" at 1206.77,233.27 h10; Bottom Pin Number "58" at 1317.01,233.27 h10; Bottom Pin Number "83" at 1521.73,354.53 h10; Bottom Pin Number "56" at 1301.26,233.27 h10; Bottom Pin Number "95" at 1616.22,354.53 h10; Bottom Pin Number "50" at 1254.02,233.27 h10; Bottom Pin Number "49" at 1254.02,354.53 h10; Bottom Pin Number "67" at 1395.75,354.53 h10; Bottom Pin Number "54" at 1285.51,233.27 h10; Bottom Pin Number "43" at 1206.77,354.53 h10; Bottom Pin Number "94" at 1600.47,233.27 h10; Bottom Pin Number "52" at 1269.76,233.27 h10; Bottom Pin Number "41" at 1191.02,354.53 h10; Bottom Pin Number "91" at 1584.72,354.53 h10; Bottom Pin Number "64" at 1364.25,233.27 h10; Bottom Pin Number "81" at 1505.98,354.53 h10; Bottom Pin Number "62" at 1348.5,233.27 h10; Bottom Pin Number "82" at 1505.98,233.27 h10; Bottom Pin Number "92" at 1584.72,233.27 h10; Bottom Pin Number "78" at 1474.49,233.27 h10; Bottom Pin Number "68" at 1395.75,233.27 h10; Bottom Pin Number "87" at 1553.23,354.53 h10; Bottom Pin Number "80" at 1490.24,233.27 h10; Bottom Pin Number "99" at 1647.72,354.53 h10; Bottom Pin Number "86" at 1537.48,233.27 h10; Bottom Pin Number "90" at 1568.98,233.27 h10; Bottom Pin Number "76" at 1458.74,233.27 h10
J6: Bottom Designator "1" at 913.42,89.57 h10 r90; Bottom Designator "2" at 1012.42,89.57 h10 r90; Bottom Component Outline "1" at 904.42,84.57 h20; Board Layer Stack Bottom Overlay "1" at 868.4,47 h31; Top Overlay "1" at 827.6,115 h31
J7: Board Layer Stack Bottom Overlay "1" at 1785.48,858.57 h20 r180; Board Layer Stack Bottom Overlay "19" at 1764.34,1063.57 h20 r180; Board Layer Stack Bottom Overlay "20" at 1955,1065 h20 r180; Board Layer Stack Bottom Overlay "2" at 1956.19,853.57 h20 r180; Bottom Assembly "1" at 1820.23,872.7 h20 r270; Bottom Assembly "19" at 1817.86,1013.57 h20 r270; Bottom Assembly "20" at 1952.86,1013.57 h20 r270; Bottom Assembly "2" at 1952.86,868.57 h20 r270; Bottom Pin Number "5" at 1813.23,917.2 h10 r180; Bottom Pin Number "11" at 1813.23,964.44 h10 r180; Bottom Pin Number "13" at 1813.23,980.19 h10 r180; Bottom Pin Number "15" at 1813.23,995.94 h10 r180; Bottom Pin Number "4" at 1922.13,897.02 h10 r180; Bottom Pin Number "10" at 1915.27,947.7 h10 r180; Bottom Pin Number "12" at 1915.27,963.44 h10 r180; Bottom Pin Number "14" at 1914.8,979.42 h10 r180; Bottom Pin Number "1" at 1813.23,885.7 h10 r180; Bottom Pin Number "2" at 1922.61,881.03 h10 r180; Bottom Pin Number "18" at 1915.27,1010.69 h10 r180; Bottom Pin Number "16" at 1915.75,994.7 h10 r180; Bottom Pin Number "17" at 1813.23,1011.69 h10 r180; Bottom Pin Number "7" at 1813.23,932.95 h10 r180; Bottom Pin Number "3" at 1813.23,901.45 h10 r180; Bottom Pin Number "6" at 1923.08,912.29 h10 r180; Bottom Pin Number "19" at 1813.23,1027.44 h10 r180; Bottom Pin Number "9" at 1813.23,948.7 h10 r180; Bottom Pin Number "8" at 1922.61,928.28 h10 r180; Bottom Pin Number "20" at 1913.7,1027.22 h10 r180
J8: Board Layer Stack Bottom Overlay "1" at 1930,679 h31; Board Layer Stack Bottom Overlay "23" at 1960,490 h31; Board Layer Stack Bottom Overlay "24" at 1750,495 h31; Board Layer Stack Bottom Overlay "2" at 1740,677 h31; Bottom Assembly "1" at 1880,695 h20 r90; Bottom Assembly "23" at 1880,515 h20 r90; Bottom Assembly "24" at 1795,515 h20 r90; Bottom Assembly "2" at 1795,700 h20 r90; Bottom Pin Number "9" at 1886.41,616.72 h10; Bottom Pin Number "19" at 1886.41,541.64 h10; Bottom Pin Number "10" at 1784.37,620.62 h10; Bottom Pin Number "20" at 1785.15,542.67 h10; Bottom Pin Number "24" at 1785.39,511.41 h10; Bottom Pin Number "7" at 1886.41,632.7 h10; Bottom Pin Number "4" at 1776.94,664.44 h10; Bottom Pin Number "8" at 1776.7,632.7 h10; Bottom Pin Number "16" at 1784.13,573.14 h10; Bottom Pin Number "2" at 1776.7,679.94 h10; Bottom Pin Number "22" at 1785.15,526.92 h10; Bottom Pin Number "23" at 1886.41,511.18 h10; Bottom Pin Number "5" at 1886.41,648.45 h10; Bottom Pin Number "18" at 1784.37,557.63 h10; Bottom Pin Number "14" at 1784.61,589.37 h10; Bottom Pin Number "12" at 1784.37,604.87 h10; Bottom Pin Number "21" at 1886.41,524.77 h10; Bottom Pin Number "3" at 1886.41,664.2 h10; Bottom Pin Number "13" at 1886.41,589.13 h10; Bottom Pin Number "17" at 1886.41,557.63 h10; Bottom Pin Number "15" at 1886.41,573.38 h10; Bottom Pin Number "6" at 1776.47,648.22 h10; Bottom Pin Number "1" at 1886.41,677.8 h10; Bottom Pin Number "11" at 1886.41,602.73 h10
L5: Top Overlay "1" at 709.06,422.9 h15 r90
L6: Top Overlay "1" at 438.87,638.37 h15
L10: Top Overlay "1" at 610.94,387.1 h15 r270
L11: Top Overlay "1" at 342.9,95.94 h15
L13: Top Overlay "1" at 299.87,150 h15 r180
L15: Top Overlay "1" at 417.1,764.06 h15 r180
NXP_LOGO_SOLID_SMALL: Top Value "NXP Solid Small" at 938,704 h31
Q1: Board Layer Stack Bottom Overlay "3" at 1509.3,1203.69 h15 r90; Board Layer Stack Bottom Overlay "1" at 1659.38,1255.22 h15 r90; Board Layer Stack Bottom Overlay "2" at 1661.37,1140.11 h15 r90
QZ2: Top Overlay "1" at 66.26,247.63 h15 r90